# Allegro board 6089-103-RevB_76.brd (continued)
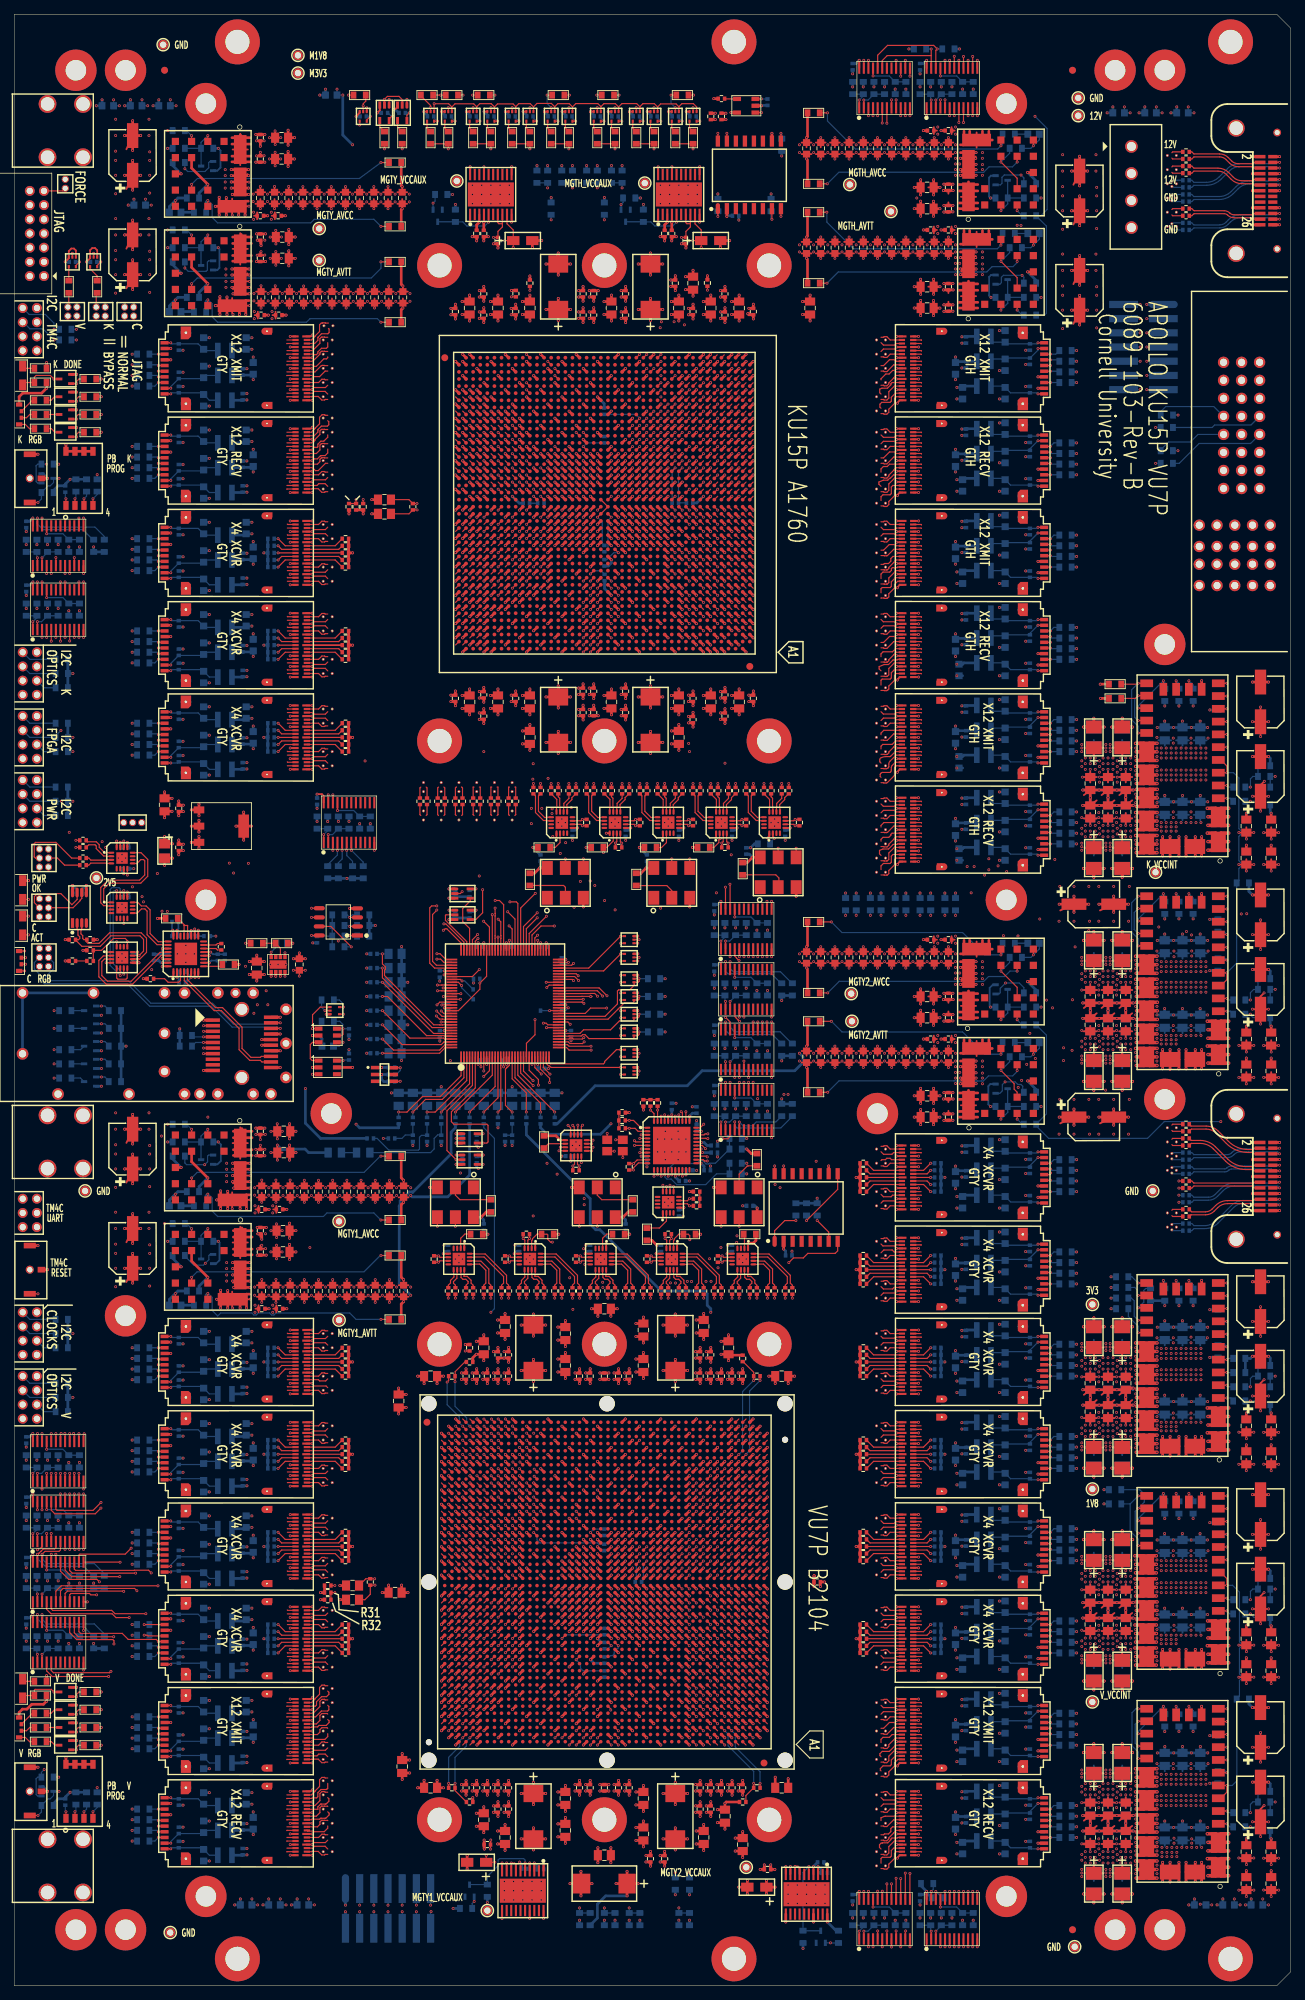
[diagram p0: board, top side]
## Routing (per net, layer and track width the routed paths; a pad name or vN(x,y) marks a point on that pad's centre or on a via; arc(x,y) is an arc through that point) (continued)
45.16,212.58 ; VA10.4 45.25,213.09 ; VA10.4 44.84,213.28 ; VA10.4 45.25,212.71 ; VA10.4 45.22,212.9 ; VA10.4 45.02,213.31 ; VA10.4 45.16,213.22 ; VA10.4 44.84,212.52 ; VA81.3 123.16,197.58 ; VA81.3 122.83,197.52 ; VA81.3 123.02,198.31 ; VA81.3 123.25,197.71 ; VA81.3 123.25,198.09 ; VA81.3 123.22,197.9 ; VA81.3 123.16,198.22 ; VA81.3 122.83,198.28 ; 62.38,169.86 VA57.4 ; VA57.4 62.32,169.53 ; VA57.4 62.7,169.92 ; VA57.4 62.89,169.95 ; VA57.4 62.29,169.72 ; VA57.4 63.11,169.72 ; VA57.4 63.08,169.53 ; VA57.4 63.02,169.86 ; 121.24,158.58 VA99.4 ; VA99.4 121.15,158.71 ; VA99.4 121.18,158.9 ; VA99.4 121.56,158.52 ; VA99.4 121.56,159.28 ; VA99.4 121.24,159.22 ; VA99.4 121.15,159.09 ; VA99.4 121.38,158.49 ; U13.27 34.69,125.65 ; U13.27 34.45,126.41 ; U13.27 32.93,126.41 ; U13.27 33.69,126.65 ; U13.27 32.69,125.65 ; U13.27 34.45,124.89 ; U13.27 32.93,124.89 ; U13.27 33.69,124.65 ; P1.11 173.03,217.03 ; P1.11 172.05,216.05 ; P1.11 173.77,216.79 ; P1.11 174.01,216.05 ; P1.11 172.29,215.31 ; P1.11 173.77,215.31 ; P1.11 173.03,215.07 ; P1.11 172.29,216.79 ; 121.15,70.71 VA116.4 ; VA116.4 121.24,71.22 ; VA116.4 121.24,70.58 ; VA116.4 121.15,71.09 ; VA116.4 121.56,70.52 ; VA116.4 121.56,71.28 ; VA116.4 121.18,70.9 ; VA116.4 121.38,70.49 ; VA111.3 123.25,86.09 ; VA111.3 123.25,85.71 ; VA111.3 123.16,85.58 ; VA111.3 122.83,85.52 ; VA111.3 123.02,86.31 ; VA111.3 123.22,85.9 ; VA111.3 123.16,86.22 ; VA111.3 122.83,86.28 ; 122.83,205.52 VA77.3 ; VA77.3 123.25,205.71 ; VA77.3 123.16,205.58 ; VA77.3 123.16,206.22 ; VA77.3 122.83,206.28 ; VA77.3 123.25,206.09 ; VA77.3 123.02,206.31 ; VA77.3 123.22,205.9 ; VA61.4 68.08,169.53 ; VA61.4 67.38,169.86 ; VA61.4 68.02,169.86 ; VA61.4 67.89,169.95 ; VA61.4 67.29,169.72 ; VA61.4 67.32,169.53 ; VA61.4 68.11,169.72 ; VA61.4 67.7,169.92 ; 173.03,209.99 P1.9 ; P1.9 174.01,210.97 ; P1.9 172.29,211.71 ; P1.9 173.77,210.23 ; P1.9 172.05,210.97 ; P1.9 173.77,211.71 ; P1.9 173.03,211.95 ; P1.9 172.29,210.23 ; VA78.3 123.25,203.71 ; VA78.3 123.02,204.31 ; VA78.3 123.16,204.22 ; VA78.3 123.16,203.58 ; VA78.3 122.83,204.28 ; VA78.3 123.25,204.09 ; VA78.3 123.22,203.9 ; VA78.3 122.83,203.52 ; PM22.1 150.88,266 ; PM22.1 149.33,266.67 ; PM22.1 149.12,266 ; PM22.1 150.67,265.33 ; PM22.1 150.67,266.67 ; PM22.1 150,266.88 ; PM22.1 150,265.12 ; PM22.1 149.33,265.33 ; 121.15,228.09 VA67.4 ; VA67.4 121.38,227.49 ; VA67.4 121.56,228.28 ; VA67.4 121.24,227.58 ; VA67.4 121.15,227.71 ; VA67.4 121.56,227.52 ; VA67.4 121.18,227.9 ; VA67.4 121.24,228.22 ; 43.15,23.09 43.56,22.9 ; 43.56,22.9 43.56,22.52 ; 43.56,22.9 43.15,22.71 ; 43.56,22.9 43.18,22.9 ; 43.56,22.9 43.56,23.28 ; 43.56,22.9 43.24,23.22 ; 43.56,22.9 43.24,22.58 ; 43.56,22.9 43.38,22.49 ; 37.55,136.83 U13.23 ; U13.23 39.07,136.83 ; U13.23 39.32,137.59 ; U13.23 39.07,138.35 ; U13.23 38.31,138.59 ; U13.23 37.31,137.59 ; U13.23 37.55,138.35 ; U13.23 38.31,136.59 ; U108.G1 142.91,171.62 ; U108.G1 142.19,169.96 ; U108.G1 142.19,171.84 ; U108.G1 141.47,170.18 ; U108.G1 142.91,170.18 ; U108.G1 141.47,171.62 ; U108.G1 141.25,170.9 ; U108.G1 141.79,169.97 ; VA48.4 44.84,25.28 ; VA48.4 45.25,24.71 ; VA48.4 45.02,25.31 ; VA48.4 45.25,25.09 ; VA48.4 44.84,24.52 ; VA48.4 45.16,25.22 ; VA48.4 45.22,24.9 ; VA48.4 45.16,24.58 ; 43.18,210.9 43.56,210.9 ; 43.56,210.9 43.15,211.09 ; 43.56,210.9 43.56,211.28 ; 43.56,210.9 43.38,210.49 ; 43.56,210.9 43.24,211.22 ; 43.56,210.9 43.15,210.71 ; 43.56,210.9 43.56,210.52 ; 43.56,210.9 43.24,210.58 ; 121.56,166.52 VA95.4 ; VA95.4 121.56,167.28 ; VA95.4 121.24,167.22 ; VA95.4 121.15,166.71 ; VA95.4 121.38,166.49 ; VA95.4 121.24,166.58 ; VA95.4 121.18,166.9 ; VA95.4 121.15,167.09 ; 122.83,208.52 VA76.3 ; VA76.3 122.83,209.28 ; VA76.3 123.16,209.22 ; VA76.3 123.25,209.09 ; VA76.3 123.16,208.58 ; VA76.3 123.22,208.9 ; VA76.3 123.25,208.71 ; VA76.3 123.02,209.31 ; PM26.1 22,8.38 ; PM26.1 22.67,6.83 ; PM26.1 22.67,8.17 ; PM26.1 21.12,7.5 ; PM26.1 22,6.62 ; PM26.1 21.33,6.83 ; PM26.1 21.33,8.17 ; PM26.1 22.88,7.5 ; 121.38,78.49 VA113.3 ; VA113.3 121.15,78.71 ; VA113.3 121.18,78.9 ; VA113.3 121.56,78.52 ; VA113.3 121.24,78.58 ; VA113.3 121.56,79.28 ; VA113.3 121.24,79.22 ; VA113.3 121.15,79.09 ; VA56.4 60.61,165.72 ; VA56.4 60.58,165.53 ; VA56.4 59.82,165.53 ; VA56.4 60.39,165.95 ; VA56.4 59.88,165.86 ; VA56.4 60.2,165.92 ; VA56.4 60.52,165.86 ; VA56.4 59.79,165.72 ; VA60.4 65.58,165.53 ; VA60.4 64.88,165.86 ; VA60.4 65.61,165.72 ; VA60.4 65.2,165.92 ; VA60.4 65.39,165.95 ; VA60.4 65.52,165.86 ; VA60.4 64.79,165.72 ; VA60.4 64.82,165.53 ; VA69.3 123.16,223.58 ; VA69.3 123.25,223.71 ; VA69.3 122.83,223.52 ; VA69.3 122.83,224.28 ; VA69.3 123.25,224.09 ; VA69.3 123.22,223.9 ; VA69.3 123.02,224.31 ; VA69.3 123.16,224.22 ; P1.15 173.77,226.95 ; P1.15 173.03,227.19 ; P1.15 173.03,225.23 ; P1.15 172.05,226.21 ; P1.15 174.01,226.21 ; P1.15 172.29,225.47 ; P1.15 173.77,225.47 ; P1.15 172.29,226.95 ; 121.24,63.58 VA118.3 ; VA118.3 121.56,63.52 ; VA118.3 121.56,64.28 ; VA118.3 121.15,64.09 ; VA118.3 121.24,64.22 ; VA118.3 121.15,63.71 ; VA118.3 121.38,63.49 ; VA118.3 121.18,63.9 ; 3.53,242.23 J1.3 ; J1.3 4.87,242.23 ; J1.3 4.87,243.57 ; J1.3 3.32,242.9 ; J1.3 5.08,242.9 ; J1.3 3.53,243.57 ; J1.3 4.2,242.02 ; J1.3 4.2,243.78 ; VA42.4 45.22,37.9 ; VA42.4 44.84,37.52 ; VA42.4 45.25,37.71 ; VA42.4 45.16,38.22 ; VA42.4 44.84,38.28 ; VA42.4 45.02,38.31 ; VA42.4 45.25,38.09 ; VA42.4 45.16,37.58 ; 121.15,72.71 VA115.4 ; VA115.4 121.56,73.28 ; VA115.4 121.15,73.09 ; VA115.4 121.18,72.9 ; VA115.4 121.24,73.22 ; VA115.4 121.24,72.58 ; VA115.4 121.56,72.52 ; VA115.4 121.38,72.49 ; VA70.4 121.56,222.28 ; VA70.4 121.15,221.71 ; VA70.4 121.18,221.9 ; VA70.4 121.24,221.58 ; VA70.4 121.38,221.49 ; VA70.4 121.24,222.22 ; VA70.4 121.56,221.52 ; VA70.4 121.15,222.09 ; VA131.3 123.22,26.9 ; VA131.3 122.83,27.28 ; VA131.3 123.25,26.71 ; VA131.3 123.16,27.22 ; VA131.3 123.02,27.31 ; VA131.3 123.16,26.58 ; VA131.3 123.25,27.09 ; VA131.3 122.83,26.52 ; VA34.3 45.16,59.58 ; VA34.3 45.02,60.31 ; VA34.3 45.25,59.71 ; VA34.3 44.84,60.28 ; VA34.3 45.25,60.09 ; VA34.3 45.22,59.9 ; VA34.3 44.84,59.52 ; VA34.3 45.16,60.22 ; VA95.3 123.25,166.71 ; VA95.3 123.25,167.09 ; VA95.3 123.16,167.22 ; VA95.3 122.83,166.52 ; VA95.3 122.83,167.28 ; VA95.3 123.16,166.58 ; VA95.3 123.22,166.9 ; VA95.3 123.02,167.31 ; 43.56,85.52 43.56,85.9 ; 43.56,85.9 43.38,85.49 ; 43.56,85.9 43.18,85.9 ; 43.56,85.9 43.24,86.22 ; 43.56,85.9 43.15,86.09 ; 43.56,85.9 43.15,85.71 ; 43.56,85.9 43.24,85.58 ; 43.56,85.9 43.56,86.28 ; 121.18,46.9 VA123.4 ; VA123.4 121.24,46.58 ; VA123.4 121.56,46.52 ; VA123.4 121.56,47.28 ; VA123.4 121.15,47.09 ; VA123.4 121.24,47.22 ; VA123.4 121.38,46.49 ; VA123.4 121.15,46.71 ; 121.24,98.58 VA107.4 ; VA107.4 121.24,99.22 ; VA107.4 121.38,98.49 ; VA107.4 121.18,98.9 ; VA107.4 121.56,98.52 ; VA107.4 121.15,99.09 ; VA107.4 121.56,99.28 ; VA107.4 121.15,98.71 ; 162.24,120.58 VA143.4 ; VA143.4 162.56,120.52 ; VA143.4 162.18,120.9 ; VA143.4 162.56,121.28 ; VA143.4 162.24,121.22 ; VA143.4 162.15,120.71 ; VA143.4 162.38,120.49 ; VA143.4 162.15,121.09 ; 121.15,217.09 VA72.4 ; VA72.4 121.56,216.52 ; VA72.4 121.18,216.9 ; VA72.4 121.24,216.58 ; VA72.4 121.15,216.71 ; VA72.4 121.38,216.49 ; VA72.4 121.56,217.28 ; VA72.4 121.24,217.22 ; VA13.4 45.22,203.9 ; VA13.4 44.84,203.52 ; VA13.4 45.02,204.31 ; VA13.4 45.16,204.22 ; VA13.4 45.25,204.09 ; VA13.4 45.25,203.71 ; VA13.4 44.84,204.28 ; VA13.4 45.16,203.58 ; 69.82,168.26 70.2,168.26 ; 70.2,168.26 70.2,167.88 ; 70.2,168.26 70.58,168.26 ; 70.2,168.26 69.88,167.94 ; 70.2,168.26 70.52,167.94 ; 70.2,168.26 70.61,168.08 ; 70.2,168.26 70.01,167.85 ; 70.2,168.26 69.79,168.08 ; VA31.3 45.16,71.22 ; VA31.3 45.22,70.9 ; VA31.3 44.84,71.28 ; VA31.3 45.25,71.09 ; VA31.3 45.16,70.58 ; VA31.3 45.25,70.71 ; VA31.3 45.02,71.31 ; VA31.3 44.84,70.52 ; VA6.4 45.16,220.58 ; VA6.4 44.84,220.52 ; VA6.4 45.25,220.71 ; VA6.4 45.25,221.09 ; VA6.4 45.02,221.31 ; VA6.4 45.22,220.9 ; VA6.4 44.84,221.28 ; VA6.4 45.16,221.22 ; U112.G1 142.91,83.62 ; U112.G1 142.19,83.84 ; U112.G1 141.25,82.9 ; U112.G1 142.91,82.18 ; U112.G1 141.79,81.97 ; U112.G1 141.47,82.18 ; U112.G1 142.19,81.96 ; U112.G1 141.47,83.62 ; VA79.3 123.02,202.31 ; VA79.3 122.83,201.52 ; VA79.3 123.16,201.58 ; VA79.3 123.25,202.09 ; VA79.3 122.83,202.28 ; VA79.3 123.16,202.22 ; VA79.3 123.22,201.9 ; VA79.3 123.25,201.71 ; VA118.4 123.16,64.22 ; VA118.4 123.25,63.71 ; VA118.4 123.22,63.9 ; VA118.4 122.83,64.28 ; VA118.4 123.02,64.31 ; VA118.4 123.25,64.09 ; VA118.4 122.83,63.52 ; VA118.4 123.16,63.58 ; 163.84,116.9 164.16,116.58 ; 163.84,116.9 164.22,116.9 ; 163.84,116.9 164.02,117.31 ; 163.84,116.9 163.84,117.28 ; 163.84,116.9 164.25,117.09 ; 163.84,116.9 164.25,116.71 ; 163.84,116.9 164.16,117.22 ; 163.84,116.9 163.84,116.52 ; VA51.4 45.25,18.71 ; VA51.4 45.02,19.31 ; VA51.4 45.16,19.22 ; VA51.4 45.25,19.09 ; VA51.4 44.84,18.52 ; VA51.4 45.22,18.9 ; VA51.4 44.84,19.28 ; VA51.4 45.16,18.58 ; 23.25,124.89 U13.30 ; U13.30 23.01,125.65 ; U13.30 24.77,124.89 ; U13.30 24.77,126.41 ; U13.30 25.02,125.65 ; U13.30 24.01,126.65 ; U13.30 24.01,124.65 ; U13.30 23.25,126.41 ; 163.84,255.52 163.84,255.9 ; 163.84,255.9 164.25,256.09 ; 163.84,255.9 164.22,255.9 ; 163.84,255.9 163.84,256.28 ; 163.84,255.9 164.02,256.31 ; 163.84,255.9 164.16,255.58 ; 163.84,255.9 164.16,256.22 ; 163.84,255.9 164.25,255.71 ; VA70.3 123.22,221.9 ; VA70.3 123.02,222.31 ; VA70.3 122.83,222.28 ; VA70.3 123.16,222.22 ; VA70.3 122.83,221.52 ; VA70.3 123.25,221.71 ; VA70.3 123.16,221.58 ; VA70.3 123.25,222.09 ; VA16.4 45.22,192.9 ; VA16.4 44.84,192.52 ; VA16.4 45.25,193.09 ; VA16.4 45.16,192.58 ; VA16.4 45.02,193.31 ; VA16.4 44.84,193.28 ; VA16.4 45.25,192.71 ; VA16.4 45.16,193.22 ; VA29.4 45.25,77.09 ; VA29.4 45.25,76.71 ; VA29.4 45.02,77.31 ; VA29.4 44.84,77.28 ; VA29.4 45.16,76.58 ; VA29.4 45.22,76.9 ; VA29.4 44.84,76.52 ; VA29.4 45.16,77.22 ; VA35.3 45.25,57.71 ; VA35.3 45.22,57.9 ; VA35.3 45.16,58.22 ; VA35.3 45.02,58.31 ; VA35.3 44.84,57.52 ; VA35.3 44.84,58.28 ; VA35.3 45.16,57.58 ; VA35.3 45.25,58.09 ; VA71.3 123.16,219.22 ; VA71.3 122.83,219.28 ; VA71.3 123.22,218.9 ; VA71.3 123.16,218.58 ; VA71.3 123.02,219.31 ; VA71.3 123.25,218.71 ; VA71.3 123.25,219.09 ; VA71.3 122.83,218.52 ; 141.47,118.18 U110.G2 ; U110.G2 142.19,117.96 ; U110.G2 141.25,118.9 ; U110.G2 141.47,119.62 ; U110.G2 142.19,119.84 ; U110.G2 142.91,119.62 ; U110.G2 141.79,117.97 ; U110.G2 142.91,118.18 ; 121.18,156.9 VA100.4 ; VA100.4 121.24,157.22 ; VA100.4 121.38,156.49 ; VA100.4 121.24,156.58 ; VA100.4 121.56,157.28 ; VA100.4 121.56,156.52 ; VA100.4 121.15,156.71 ; VA100.4 121.15,157.09 ; VA15.3 45.16,198.22 ; VA15.3 45.22,197.9 ; VA15.3 45.16,197.58 ; VA15.3 45.25,198.09 ; VA15.3 45.02,198.31 ; VA15.3 44.84,197.52 ; VA15.3 44.84,198.28 ; VA15.3 45.25,197.71 ; VA12.4 44.84,206.28 ; VA12.4 45.16,205.58 ; VA12.4 45.02,206.31 ; VA12.4 45.22,205.9 ; VA12.4 44.84,205.52 ; VA12.4 45.16,206.22 ; VA12.4 45.25,206.09 ; VA12.4 45.25,205.71 ; VA116.3 123.16,70.58 ; VA116.3 122.83,70.52 ; VA116.3 122.83,71.28 ; VA116.3 123.02,71.31 ; VA116.3 123.22,70.9 ; VA116.3 123.25,70.71 ; VA116.3 123.25,71.09 ; VA116.3 123.16,71.22 ; 121.15,57.71 VA120.4 ; VA120.4 121.24,58.22 ; VA120.4 121.56,57.52 ; VA120.4 121.24,57.58 ; VA120.4 121.18,57.9 ; VA120.4 121.38,57.49 ; VA120.4 121.56,58.28 ; VA120.4 121.15,58.09 ; 23.49,209.18 U21.G2 ; U21.G2 25.15,209.9 ; U21.G2 24.93,210.62 ; U21.G2 23.49,210.62 ; U21.G2 24.93,209.18 ; U21.G2 24.21,208.96 ; U21.G2 23.81,208.97 ; U21.G2 24.21,210.84 ; VA108.3 123.22,96.9 ; VA108.3 123.16,97.22 ; VA108.3 123.25,96.71 ; VA108.3 122.83,96.52 ; VA108.3 123.25,97.09 ; VA108.3 123.02,97.31 ; VA108.3 122.83,97.28 ; VA108.3 123.16,96.58 ; VA27.3 45.16,83.58 ; VA27.3 45.02,84.31 ; VA27.3 44.84,84.28 ; VA27.3 45.16,84.22 ; VA27.3 45.25,83.71 ; VA27.3 45.22,83.9 ; VA27.3 44.84,83.52 ; VA27.3 45.25,84.09 ; U115.G2 142.91,53.18 ; U115.G2 142.19,52.96 ; U115.G2 142.91,54.62 ; U115.G2 141.47,53.18 ; U115.G2 141.47,54.62 ; U115.G2 142.19,54.84 ; U115.G2 141.79,52.97 ; U115.G2 141.25,53.9 ; 43.38,186.49 43.56,186.9 ; 43.56,186.9 43.15,186.71 ; 43.56,186.9 43.15,187.09 ; 43.56,186.9 43.56,187.28 ; 43.56,186.9 43.24,186.58 ; 43.56,186.9 43.18,186.9 ; 43.56,186.9 43.24,187.22 ; 43.56,186.9 43.56,186.52 ; VA39.3 45.22,44.9 ; VA39.3 44.84,44.52 ; VA39.3 45.16,45.22 ; VA39.3 45.25,45.09 ; VA39.3 44.84,45.28 ; VA39.3 45.25,44.71 ; VA39.3 45.02,45.31 ; VA39.3 45.16,44.58 ; 162.15,255.71 VA138.4 ; VA138.4 162.24,255.58 ; VA138.4 162.24,256.22 ; VA138.4 162.56,255.52 ; VA138.4 162.18,255.9 ; VA138.4 162.38,255.49 ; VA138.4 162.15,256.09 ; VA138.4 162.56,256.28 ; U21.G1 25.15,219.9 ; U21.G1 24.21,220.84 ; U21.G1 24.93,219.18 ; U21.G1 23.49,219.18 ; U21.G1 24.93,220.62 ; U21.G1 23.81,218.97 ; U21.G1 24.21,218.96 ; U21.G1 23.49,220.62 ; VA32.4 44.84,66.28 ; VA32.4 44.84,65.52 ; VA32.4 45.16,66.22 ; VA32.4 45.25,66.09 ; VA32.4 45.16,65.58 ; VA32.4 45.25,65.71 ; VA32.4 45.22,65.9 ; VA32.4 45.02,66.31 ; U13.25 39.32,127.99 ; U13.25 38.31,128.99 ; U13.25 37.55,128.75 ; U13.25 39.07,127.23 ; U13.25 38.31,126.98 ; U13.25 37.31,127.99 ; U13.25 37.55,127.23 ; U13.25 39.07,128.75 ; 141.25,157.9 U109.G1 ; U109.G1 141.47,158.62 ; U109.G1 142.19,156.96 ; U109.G1 142.91,157.18 ; U109.G1 142.19,158.84 ; U109.G1 142.91,158.62 ; U109.G1 141.79,156.97 ; U109.G1 141.47,157.18 ; U13.28 29.47,126.41 ; U13.28 29.47,124.89 ; U13.28 29.71,125.65 ; U13.28 28.71,124.65 ; U13.28 27.71,125.65 ; U13.28 28.71,126.65 ; U13.28 27.95,124.89 ; U13.28 27.95,126.41 ; P1.P2-6 172.81,206.54 ; P1.P2-6 171.09,205.8 ; P1.P2-6 171.33,206.54 ; P1.P2-6 173.05,205.8 ; P1.P2-6 172.81,205.06 ; P1.P2-6 171.33,205.06 ; P1.P2-6 172.07,204.82 ; P1.P2-6 172.07,206.78 ; VA135.3 123.02,19.31 ; VA135.3 123.25,18.71 ; VA135.3 123.16,18.58 ; VA135.3 123.22,18.9 ; VA135.3 122.83,18.52 ; VA135.3 123.25,19.09 ; VA135.3 122.83,19.28 ; VA135.3 123.16,19.22 ; 44.84,190.52 VA17.4 ; VA17.4 45.02,191.31 ; VA17.4 45.22,190.9 ; VA17.4 44.84,191.28 ; VA17.4 45.25,191.09 ; VA17.4 45.16,190.58 ; VA17.4 45.16,191.22 ; VA17.4 45.25,190.71 ; 23.49,183.18 U23.G2 ; U23.G2 23.49,184.62 ; U23.G2 24.21,184.84 ; U23.G2 24.93,184.62 ; U23.G2 24.21,182.96 ; U23.G2 25.15,183.9 ; U23.G2 23.81,182.97 ; U23.G2 24.93,183.18 ; J12.1 7.2,255.22 ; J12.1 7.74,254 ; J12.1 7.5,255.23 ; J12.1 6.66,255.07 ; J12.1 7.89,254.53 ; J12.1 6.51,254.53 ; J12.1 7.74,255.07 ; J12.1 6.66,254 ; 121.15,211.09 VA75.4 ; VA75.4 121.38,210.49 ; VA75.4 121.56,210.52 ; VA75.4 121.56,211.28 ; VA75.4 121.24,211.22 ; VA75.4 121.24,210.58 ; VA75.4 121.15,210.71 ; VA75.4 121.18,210.9 ; VA82.3 122.83,196.28 ; VA82.3 123.22,195.9 ; VA82.3 123.16,195.58 ; VA82.3 123.16,196.22 ; VA82.3 123.25,195.71 ; VA82.3 123.02,196.31 ; VA82.3 123.25,196.09 ; VA82.3 122.83,195.52 ; 43.15,25.09 43.56,24.9 ; 43.56,24.9 43.18,24.9 ; 43.56,24.9 43.56,25.28 ; 43.56,24.9 43.56,24.52 ; 43.56,24.9 43.15,24.71 ; 43.56,24.9 43.24,24.58 ; 43.56,24.9 43.24,25.22 ; 43.56,24.9 43.38,24.49 ; 121.24,17.22 VA136.4 ; VA136.4 121.24,16.58 ; VA136.4 121.15,17.09 ; VA136.4 121.38,16.49 ; VA136.4 121.56,17.28 ; VA136.4 121.18,16.9 ; VA136.4 121.15,16.71 ; VA136.4 121.56,16.52 ; 121.15,31.71 VA129.4 ; VA129.4 121.15,32.09 ; VA129.4 121.24,32.22 ; VA129.4 121.18,31.9 ; VA129.4 121.56,31.52 ; VA129.4 121.24,31.58 ; VA129.4 121.56,32.28 ; VA129.4 121.38,31.49 ; 24.21,39.96 U29.G1 ; U29.G1 24.21,41.84 ; U29.G1 24.93,41.62 ; U29.G1 24.93,40.18 ; U29.G1 25.15,40.9 ; U29.G1 23.49,41.62 ; U29.G1 23.49,40.18 ; U29.G1 23.81,39.97 ; J2.8 3.2,231.28 ; J2.8 2.53,229.73 ; J2.8 3.87,231.07 ; J2.8 3.87,229.73 ; J2.8 4.08,230.4 ; J2.8 2.32,230.4 ; J2.8 2.53,231.07 ; J2.8 3.2,229.52 ; 20.12,273.5 PM21.1 ; PM21.1 20.33,272.83 ; PM21.1 21.67,272.83 ; PM21.1 21.67,274.17 ; PM21.1 21,272.62 ; PM21.1 21,274.38 ; PM21.1 20.33,274.17 ; PM21.1 21.88,273.5 ; 122.83,98.52 VA107.3 ; VA107.3 122.83,99.28 ; VA107.3 123.22,98.9 ; VA107.3 123.16,98.58 ; VA107.3 123.16,99.22 ; VA107.3 123.25,98.71 ; VA107.3 123.25,99.09 ; VA107.3 123.02,99.31 ; 43.24,221.22 43.56,220.9 ; 43.56,220.9 43.15,220.71 ; 43.56,220.9 43.24,220.58 ; 43.56,220.9 43.18,220.9 ; 43.56,220.9 43.15,221.09 ; 43.56,220.9 43.38,220.49 ; 43.56,220.9 43.56,221.28 ; 43.56,220.9 43.56,220.52 ; 121.24,229.58 VA66.4 ; VA66.4 121.24,230.22 ; VA66.4 121.38,229.49 ; VA66.4 121.56,229.52 ; VA66.4 121.15,230.09 ; VA66.4 121.15,229.71 ; VA66.4 121.18,229.9 ; VA66.4 121.56,230.28 ; 176.33,206.54 P1.P2-2 ; P1.P2-2 177.07,204.82 ; P1.P2-2 178.05,205.8 ; P1.P2-2 177.81,205.06 ; P1.P2-2 176.33,205.06 ; P1.P2-2 177.81,206.54 ; P1.P2-2 177.07,206.78 ; P1.P2-2 176.09,205.8 ; U13.35 11.18,140.78 ; U13.35 10.51,139.23 ; U13.35 12.06,139.9 ; U13.35 10.51,140.57 ; U13.35 11.86,140.57 ; U13.35 11.86,139.23 ; U13.35 10.31,139.9 ; U13.35 11.18,139.02 ; 2.32,163.9 J5.8 ; J5.8 3.2,164.78 ; J5.8 4.08,163.9 ; J5.8 3.87,163.23 ; J5.8 2.53,164.57 ; J5.8 3.87,164.57 ; J5.8 2.53,163.23 ; J5.8 3.2,163.02 ; 43.24,219.22 43.56,218.9 ; 43.56,218.9 43.56,218.52 ; 43.56,218.9 43.15,219.09 ; 43.56,218.9 43.18,218.9 ; 43.56,218.9 43.38,218.49 ; 43.56,218.9 43.56,219.28 ; 43.56,218.9 43.24,218.58 ; 43.56,218.9 43.15,218.71 ; 163.84,253.9 164.22,253.9 ; 163.84,253.9 164.25,253.71 ; 163.84,253.9 163.84,253.52 ; 163.84,253.9 163.84,254.28 ; 163.84,253.9 164.25,254.09 ; 163.84,253.9 164.16,253.58 ; 163.84,253.9 164.16,254.22 ; 163.84,253.9 164.02,254.31 ; 148.62,5.5 PM23.1 ; PM23.1 150.38,5.5 ; PM23.1 148.83,6.17 ; PM23.1 150.17,6.17 ; PM23.1 148.83,4.83 ; PM23.1 150.17,4.83 ; PM23.1 149.5,4.62 ; PM23.1 149.5,6.38 ; VA101.4 122.83,118.28 ; VA101.4 123.02,118.31 ; VA101.4 122.83,117.52 ; VA101.4 123.25,117.71 ; VA101.4 123.16,118.22 ; VA101.4 123.25,118.09 ; VA101.4 123.16,117.58 ; VA101.4 123.22,117.9 ; 141.47,80.62 U113.G2 ; U113.G2 142.91,80.62 ; U113.G2 142.19,78.96 ; U113.G2 141.79,78.97 ; U113.G2 141.47,79.18 ; U113.G2 142.91,79.18 ; U113.G2 142.19,80.84 ; U113.G2 141.25,79.9 ; 163.84,249.9 164.16,250.22 ; 163.84,249.9 163.84,249.52 ; 163.84,249.9 164.02,250.31 ; 163.84,249.9 164.25,249.71 ; 163.84,249.9 163.84,250.28 ; 163.84,249.9 164.25,250.09 ; 163.84,249.9 164.22,249.9 ; 163.84,249.9 164.16,249.58 ; 163.84,108.9 164.22,108.9 ; 163.84,108.9 164.16,108.58 ; 163.84,108.9 163.84,109.28 ; 163.84,108.9 163.84,108.52 ; 163.84,108.9 164.02,109.31 ; 163.84,108.9 164.25,108.71 ; 163.84,108.9 164.25,109.09 ; 163.84,108.9 164.16,109.22 ; 121.18,225.9 VA68.4 ; VA68.4 121.24,226.22 ; VA68.4 121.15,226.09 ; VA68.4 121.56,226.28 ; VA68.4 121.38,225.49 ; VA68.4 121.15,225.71 ; VA68.4 121.56,225.52 ; VA68.4 121.24,225.58 ; 122.83,190.52 VA84.3 ; VA84.3 123.16,191.22 ; VA84.3 123.22,190.9 ; VA84.3 123.25,191.09 ; VA84.3 123.25,190.71 ; VA84.3 123.16,190.58 ; VA84.3 122.83,191.28 ; VA84.3 123.02,191.31 ; VA43.4 45.25,35.71 ; VA43.4 44.84,36.28 ; VA43.4 44.84,35.52 ; VA43.4 45.22,35.9 ; VA43.4 45.16,35.58 ; VA43.4 45.25,36.09 ; VA43.4 45.16,36.22 ; VA43.4 45.02,36.31 ; 43.15,44.71 43.56,44.9 ; 43.56,44.9 43.56,44.52 ; 43.56,44.9 43.24,44.58 ; 43.56,44.9 43.24,45.22 ; 43.56,44.9 43.56,45.28 ; 43.56,44.9 43.18,44.9 ; 43.56,44.9 43.15,45.09 ; 43.56,44.9 43.38,44.49 ; VA94.3 123.25,169.71 ; VA94.3 122.83,170.28 ; VA94.3 123.16,169.58 ; VA94.3 123.22,169.9 ; VA94.3 122.83,169.52 ; VA94.3 123.16,170.22 ; VA94.3 123.25,170.09 ; VA94.3 123.02,170.31 ; VA104.3 123.25,109.71 ; VA104.3 123.02,110.31 ; VA104.3 122.83,110.28 ; VA104.3 123.16,110.22 ; VA104.3 122.83,109.52 ; VA104.3 123.22,109.9 ; VA104.3 123.25,110.09 ; VA104.3 123.16,109.58 ; VA67.3 123.16,227.58 ; VA67.3 123.25,228.09 ; VA67.3 123.25,227.71 ; VA67.3 123.16,228.22 ; VA67.3 123.02,228.31 ; VA67.3 123.22,227.9 ; VA67.3 122.83,227.52 ; VA67.3 122.83,228.28 ; 121.18,96.9 VA108.4 ; VA108.4 121.24,97.22 ; VA108.4 121.15,96.71 ; VA108.4 121.56,97.28 ; VA108.4 121.56,96.52 ; VA108.4 121.15,97.09 ; VA108.4 121.38,96.49 ; VA108.4 121.24,96.58 ; VA45.4 45.22,31.9 ; VA45.4 44.84,32.28 ; VA45.4 44.84,31.52 ; VA45.4 45.02,32.31 ; VA45.4 45.16,32.22 ; VA45.4 45.25,32.09 ; VA45.4 45.16,31.58 ; VA45.4 45.25,31.71 ; U26.G2 24.93,70.62 ; U26.G2 23.81,68.97 ; U26.G2 24.21,70.84 ; U26.G2 24.93,69.18 ; U26.G2 24.21,68.96 ; U26.G2 25.15,69.9 ; 